# KiCad board TX75v2 PCB replacement.kicad_pcb (continued)
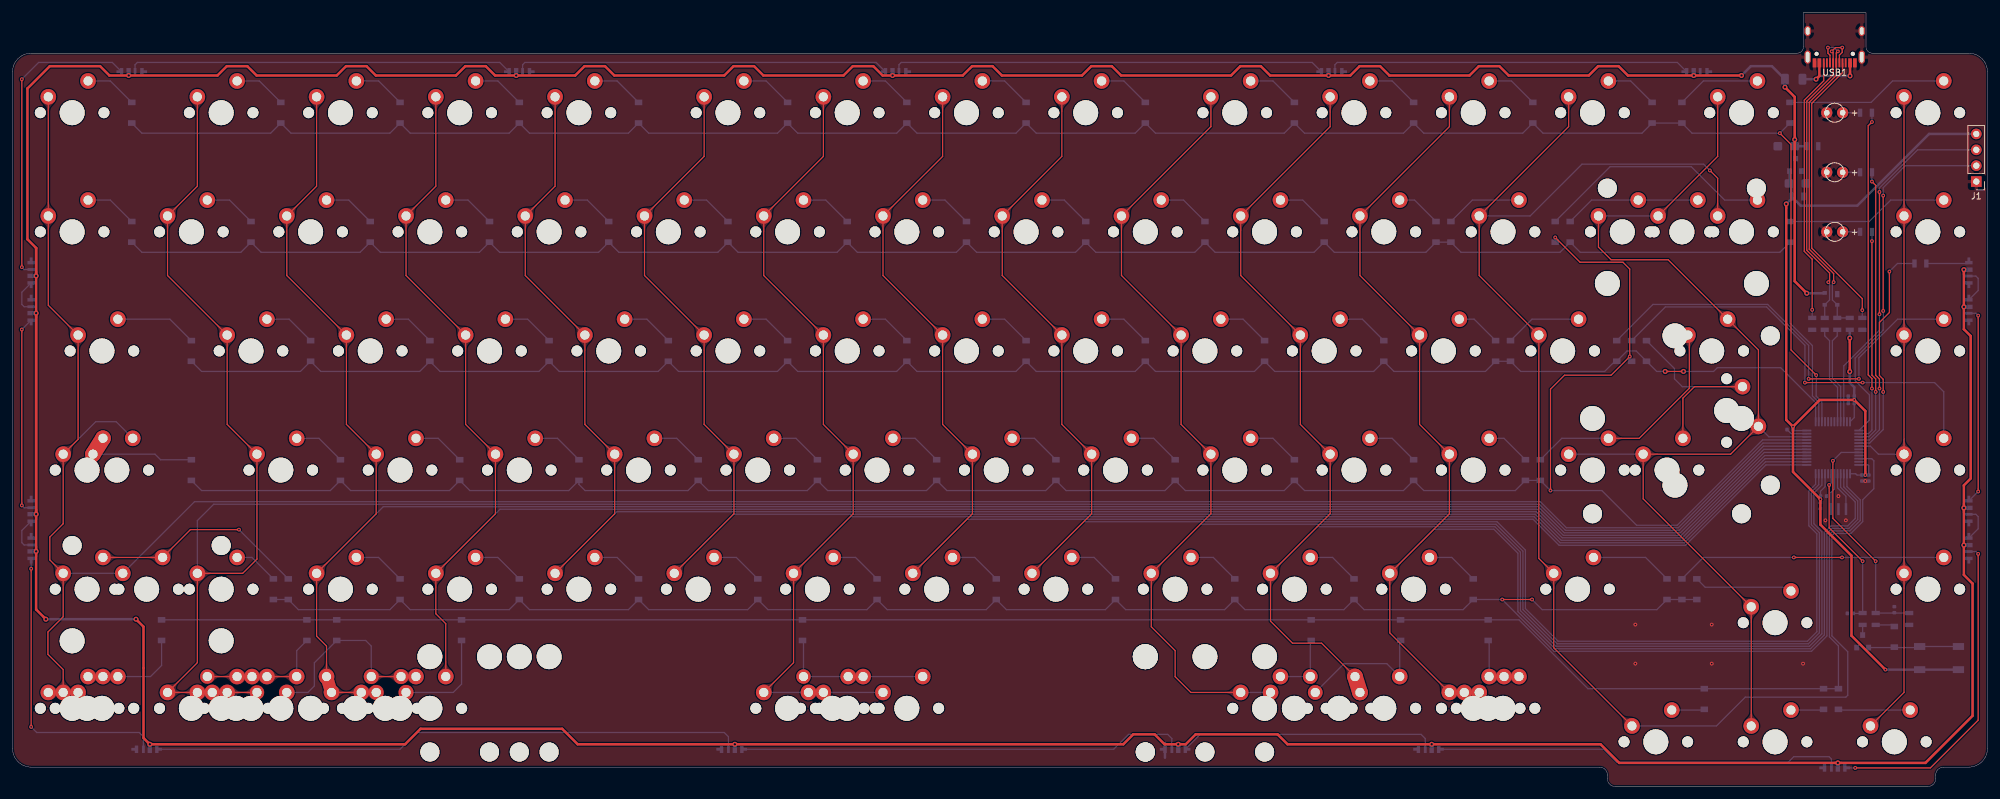
[diagram p0: board, top side]
## Copper pours and planes (outline as drawn; the poured copper is in the pictures) (continued)
Net-(D40-Pad2) on Bottom: 133.62,36.73 133.51,36.73 133.41,36.74 133.32,36.75 133.23,36.76 133.15,36.78 133.08,36.8 133.01,36.82 132.94,36.84 132.88,36.87 132.82,36.9 132.76,36.93 132.71,36.97 132.66,37.01 132.61,37.04 132.22,37.39 132.17,37.44 132.11,37.49 132.05,37.53 131.98,37.58 131.91,37.62 131.84,37.67 131.76,37.71 131.67,37.76 130.5,36.63 131.67,35.51 131.76,35.55 131.84,35.59 131.91,35.64 131.98,35.68 132.05,35.73 132.11,35.78 132.17,35.82 132.22,35.87 132.61,36.22 132.66,36.26 132.71,36.29 132.76,36.33 132.82,36.36 132.88,36.39 132.94,36.42 133.01,36.44 133.08,36.47 133.15,36.49 133.23,36.5 133.32,36.51 133.41,36.52 133.51,36.53 133.62,36.53
Net-(D41-Pad2) on Bottom: 157.43,112.93 157.32,112.93 157.22,112.94 157.13,112.95 157.05,112.96 156.97,112.98 156.89,113 156.82,113.02 156.75,113.04 156.69,113.07 156.63,113.1 156.58,113.13 156.52,113.17 156.47,113.21 156.42,113.24 156.03,113.59 155.98,113.64 155.92,113.69 155.86,113.73 155.79,113.78 155.72,113.82 155.65,113.87 155.57,113.91 155.48,113.96 154.31,112.83 155.48,111.71 155.57,111.75 155.65,111.79 155.72,111.84 155.79,111.88 155.86,111.93 155.92,111.98 155.98,112.02 156.03,112.07 156.42,112.42 156.47,112.46 156.52,112.49 156.58,112.53 156.63,112.56 156.69,112.59 156.75,112.62 156.82,112.64 156.89,112.67 156.97,112.69 157.05,112.7 157.13,112.71 157.22,112.72 157.32,112.73 157.43,112.73
Net-(D42-Pad2) on Bottom: 147.91,93.88 147.8,93.88 147.7,93.89 147.61,93.9 147.52,93.91 147.44,93.93 147.37,93.95 147.29,93.97 147.23,93.99 147.17,94.02 147.11,94.05 147.05,94.08 147,94.12 146.95,94.16 146.9,94.19 146.51,94.54 146.45,94.59 146.4,94.64 146.33,94.68 146.27,94.73 146.2,94.77 146.12,94.82 146.05,94.86 145.96,94.91 144.79,93.78 145.96,92.66 146.05,92.7 146.12,92.74 146.2,92.79 146.27,92.83 146.33,92.88 146.4,92.93 146.45,92.97 146.51,93.02 146.9,93.37 146.95,93.41 147,93.44 147.05,93.48 147.11,93.51 147.17,93.54 147.23,93.57 147.29,93.59 147.37,93.62 147.44,93.64 147.52,93.65 147.61,93.66 147.7,93.67 147.8,93.68 147.91,93.68
Net-(D43-Pad2) on Bottom: 157.43,74.83 157.32,74.83 157.22,74.84 157.13,74.85 157.05,74.86 156.97,74.88 156.89,74.9 156.82,74.92 156.75,74.94 156.69,74.97 156.63,75 156.58,75.03 156.52,75.07 156.47,75.11 156.42,75.14 156.03,75.49 155.98,75.54 155.92,75.59 155.86,75.63 155.79,75.68 155.72,75.72 155.65,75.77 155.57,75.81 155.48,75.86 154.31,74.73 155.48,73.61 155.57,73.65 155.65,73.69 155.72,73.74 155.79,73.78 155.86,73.83 155.92,73.88 155.98,73.92 156.03,73.97 156.42,74.32 156.47,74.36 156.52,74.39 156.58,74.43 156.63,74.46 156.69,74.49 156.75,74.52 156.82,74.54 156.89,74.57 156.97,74.59 157.05,74.6 157.13,74.61 157.22,74.62 157.32,74.63 157.43,74.63
Net-(D44-Pad2) on Bottom: 162.19,55.78 162.09,55.78 161.99,55.79 161.89,55.8 161.81,55.81 161.73,55.83 161.65,55.85 161.58,55.87 161.52,55.89 161.45,55.92 161.4,55.95 161.34,55.98 161.29,56.02 161.24,56.06 161.19,56.09 160.8,56.44 160.74,56.49 160.68,56.54 160.62,56.58 160.56,56.63 160.49,56.67 160.41,56.72 160.33,56.76 160.25,56.81 159.08,55.68 160.25,54.56 160.33,54.6 160.41,54.64 160.49,54.69 160.56,54.73 160.62,54.78 160.68,54.83 160.74,54.87 160.8,54.92 161.19,55.27 161.24,55.31 161.29,55.34 161.34,55.38 161.4,55.41 161.45,55.44 161.52,55.47 161.58,55.49 161.65,55.52 161.73,55.54 161.81,55.55 161.89,55.56 161.99,55.57 162.09,55.58 162.19,55.58
Net-(D45-Pad2) on Bottom: 152.67,36.73 152.56,36.73 152.46,36.74 152.37,36.75 152.28,36.76 152.2,36.78 152.13,36.8 152.06,36.82 151.99,36.84 151.93,36.87 151.87,36.9 151.81,36.93 151.76,36.97 151.71,37.01 151.66,37.04 151.27,37.39 151.22,37.44 151.16,37.49 151.1,37.53 151.03,37.58 150.96,37.62 150.89,37.67 150.81,37.71 150.72,37.76 149.55,36.63 150.72,35.51 150.81,35.55 150.89,35.59 150.96,35.64 151.03,35.68 151.1,35.73 151.16,35.78 151.22,35.82 151.27,35.87 151.66,36.22 151.71,36.26 151.76,36.29 151.81,36.33 151.87,36.36 151.93,36.39 151.99,36.42 152.06,36.44 152.13,36.47 152.2,36.49 152.28,36.5 152.37,36.51 152.46,36.52 152.56,36.53 152.67,36.53
Net-(D46-Pad2) on Bottom: 176.48,112.93 176.37,112.93 176.27,112.94 176.18,112.95 176.1,112.96 176.02,112.98 175.94,113 175.87,113.02 175.8,113.04 175.74,113.07 175.68,113.1 175.63,113.13 175.57,113.17 175.52,113.21 175.47,113.24 175.08,113.59 175.03,113.64 174.97,113.69 174.91,113.73 174.84,113.78 174.77,113.82 174.7,113.87 174.62,113.91 174.53,113.96 173.37,112.83 174.53,111.71 174.62,111.75 174.7,111.79 174.77,111.84 174.84,111.88 174.91,111.93 174.97,111.98 175.03,112.02 175.08,112.07 175.47,112.42 175.52,112.46 175.57,112.49 175.63,112.53 175.68,112.56 175.74,112.59 175.8,112.62 175.87,112.64 175.94,112.67 176.02,112.69 176.1,112.7 176.18,112.71 176.27,112.72 176.37,112.73 176.48,112.73
Net-(D47-Pad2) on Bottom: 166.96,93.88 166.85,93.88 166.75,93.89 166.66,93.9 166.57,93.91 166.49,93.93 166.42,93.95 166.34,93.97 166.28,93.99 166.22,94.02 166.16,94.05 166.1,94.08 166.05,94.12 166,94.16 165.95,94.19 165.56,94.54 165.5,94.59 165.45,94.64 165.38,94.68 165.32,94.73 165.25,94.77 165.17,94.82 165.1,94.86 165.01,94.91 163.84,93.78 165.01,92.66 165.1,92.7 165.17,92.74 165.25,92.79 165.32,92.83 165.38,92.88 165.45,92.93 165.5,92.97 165.56,93.02 165.95,93.37 166,93.41 166.05,93.44 166.1,93.48 166.16,93.51 166.22,93.54 166.28,93.57 166.34,93.59 166.42,93.62 166.49,93.64 166.57,93.65 166.66,93.66 166.75,93.67 166.85,93.68 166.96,93.68
Net-(D48-Pad2) on Bottom: 176.48,74.83 176.37,74.83 176.27,74.84 176.18,74.85 176.1,74.86 176.02,74.88 175.94,74.9 175.87,74.92 175.8,74.94 175.74,74.97 175.68,75 175.63,75.03 175.57,75.07 175.52,75.11 175.47,75.14 175.08,75.49 175.03,75.54 174.97,75.59 174.91,75.63 174.84,75.68 174.77,75.72 174.7,75.77 174.62,75.81 174.53,75.86 173.37,74.73 174.53,73.61 174.62,73.65 174.7,73.69 174.77,73.74 174.84,73.78 174.91,73.83 174.97,73.88 175.03,73.92 175.08,73.97 175.47,74.32 175.52,74.36 175.57,74.39 175.63,74.43 175.68,74.46 175.74,74.49 175.8,74.52 175.87,74.54 175.94,74.57 176.02,74.59 176.1,74.6 176.18,74.61 176.27,74.62 176.37,74.63 176.48,74.63
Net-(D49-Pad2) on Bottom: 181.24,55.78 181.14,55.78 181.04,55.79 180.94,55.8 180.86,55.81 180.78,55.83 180.7,55.85 180.63,55.87 180.57,55.89 180.5,55.92 180.45,55.95 180.39,55.98 180.34,56.02 180.29,56.06 180.24,56.09 179.85,56.44 179.79,56.49 179.73,56.54 179.67,56.58 179.61,56.63 179.54,56.67 179.46,56.72 179.38,56.76 179.3,56.81 178.13,55.68 179.3,54.56 179.38,54.6 179.46,54.64 179.54,54.69 179.61,54.73 179.67,54.78 179.73,54.83 179.79,54.87 179.85,54.92 180.24,55.27 180.29,55.31 180.34,55.34 180.39,55.38 180.45,55.41 180.5,55.44 180.57,55.47 180.63,55.49 180.7,55.52 180.78,55.54 180.86,55.55 180.94,55.56 181.04,55.57 181.14,55.58 181.24,55.58
Net-(D50-Pad2) on Bottom: 171.72,36.73 171.61,36.73 171.51,36.74 171.42,36.75 171.33,36.76 171.25,36.78 171.18,36.8 171.11,36.82 171.04,36.84 170.98,36.87 170.92,36.9 170.86,36.93 170.81,36.97 170.76,37.01 170.71,37.04 170.32,37.39 170.27,37.44 170.21,37.49 170.15,37.53 170.08,37.58 170.01,37.62 169.94,37.67 169.86,37.71 169.77,37.76 168.6,36.63 169.77,35.51 169.86,35.55 169.94,35.59 170.01,35.64 170.08,35.68 170.15,35.73 170.21,35.78 170.27,35.82 170.32,35.87 170.71,36.22 170.76,36.26 170.81,36.29 170.86,36.33 170.92,36.36 170.98,36.39 171.04,36.42 171.11,36.44 171.18,36.47 171.25,36.49 171.33,36.5 171.42,36.51 171.51,36.52 171.61,36.53 171.72,36.53
Net-(D51-Pad2) on Bottom: 200.29,112.93 200.19,112.93 200.09,112.94 199.99,112.95 199.91,112.96 199.83,112.98 199.75,113 199.68,113.02 199.62,113.04 199.55,113.07 199.5,113.1 199.44,113.13 199.39,113.17 199.34,113.21 199.29,113.24 198.9,113.59 198.84,113.64 198.78,113.69 198.72,113.73 198.66,113.78 198.59,113.82 198.51,113.87 198.43,113.91 198.35,113.96 197.18,112.83 198.35,111.71 198.43,111.75 198.51,111.79 198.59,111.84 198.66,111.88 198.72,111.93 198.78,111.98 198.84,112.02 198.9,112.07 199.29,112.42 199.34,112.46 199.39,112.49 199.44,112.53 199.5,112.56 199.55,112.59 199.62,112.62 199.68,112.64 199.75,112.67 199.83,112.69 199.91,112.7 199.99,112.71 200.09,112.72 200.19,112.73 200.29,112.73
Net-(D52-Pad2) on Bottom: 186,93.88 185.9,93.88 185.8,93.89 185.71,93.9 185.62,93.91 185.54,93.93 185.47,93.95 185.39,93.97 185.33,93.99 185.27,94.02 185.21,94.05 185.15,94.08 185.1,94.12 185.05,94.16 185,94.19 184.61,94.54 184.55,94.59 184.5,94.64 184.43,94.68 184.37,94.73 184.3,94.77 184.22,94.82 184.15,94.86 184.06,94.91 182.89,93.78 184.06,92.66 184.15,92.7 184.22,92.74 184.3,92.79 184.37,92.83 184.43,92.88 184.5,92.93 184.55,92.97 184.61,93.02 185,93.37 185.05,93.41 185.1,93.44 185.15,93.48 185.21,93.51 185.27,93.54 185.33,93.57 185.39,93.59 185.47,93.62 185.54,93.64 185.62,93.65 185.71,93.66 185.8,93.67 185.9,93.68 186,93.68
Net-(D53-Pad2) on Bottom: 195.53,74.83 195.42,74.83 195.32,74.84 195.23,74.85 195.15,74.86 195.07,74.88 194.99,74.9 194.92,74.92 194.85,74.94 194.79,74.97 194.73,75 194.68,75.03 194.62,75.07 194.57,75.11 194.52,75.14 194.13,75.49 194.08,75.54 194.02,75.59 193.96,75.63 193.89,75.68 193.82,75.72 193.75,75.77 193.67,75.81 193.58,75.86 192.41,74.73 193.58,73.61 193.67,73.65 193.75,73.69 193.82,73.74 193.89,73.78 193.96,73.83 194.02,73.88 194.08,73.92 194.13,73.97 194.52,74.32 194.57,74.36 194.62,74.39 194.68,74.43 194.73,74.46 194.79,74.49 194.85,74.52 194.92,74.54 194.99,74.57 195.07,74.59 195.15,74.6 195.23,74.61 195.32,74.62 195.42,74.63 195.53,74.63
Net-(D54-Pad2) on Bottom: 200.29,55.78 200.19,55.78 200.09,55.79 199.99,55.8 199.91,55.81 199.83,55.83 199.75,55.85 199.68,55.87 199.62,55.89 199.55,55.92 199.5,55.95 199.44,55.98 199.39,56.02 199.34,56.06 199.29,56.09 198.9,56.44 198.84,56.49 198.78,56.54 198.72,56.58 198.66,56.63 198.59,56.67 198.51,56.72 198.43,56.76 198.35,56.81 197.18,55.68 198.35,54.56 198.43,54.6 198.51,54.64 198.59,54.69 198.66,54.73 198.72,54.78 198.78,54.83 198.84,54.87 198.9,54.92 199.29,55.27 199.34,55.31 199.39,55.34 199.44,55.38 199.5,55.41 199.55,55.44 199.62,55.47 199.68,55.49 199.75,55.52 199.83,55.54 199.91,55.55 199.99,55.56 200.09,55.57 200.19,55.58 200.29,55.58
Net-(D55-Pad2) on Bottom: 190.77,36.73 190.66,36.73 190.56,36.74 190.47,36.75 190.38,36.76 190.3,36.78 190.23,36.8 190.16,36.82 190.09,36.84 190.03,36.87 189.97,36.9 189.91,36.93 189.86,36.97 189.81,37.01 189.76,37.04 189.37,37.39 189.32,37.44 189.26,37.49 189.2,37.53 189.13,37.58 189.06,37.62 188.99,37.67 188.91,37.71 188.82,37.76 187.65,36.63 188.82,35.51 188.91,35.55 188.99,35.59 189.06,35.64 189.13,35.68 189.2,35.73 189.26,35.78 189.32,35.82 189.37,35.87 189.76,36.22 189.81,36.26 189.86,36.29 189.91,36.33 189.97,36.36 190.03,36.39 190.09,36.42 190.16,36.44 190.23,36.47 190.3,36.49 190.38,36.5 190.47,36.51 190.56,36.52 190.66,36.53 190.77,36.53
Net-(D56-Pad2) on Bottom: 219.34,112.93 219.24,112.93 219.14,112.94 219.04,112.95 218.96,112.96 218.88,112.98 218.8,113 218.73,113.02 218.67,113.04 218.6,113.07 218.55,113.1 218.49,113.13 218.44,113.17 218.39,113.21 218.34,113.24 217.95,113.59 217.89,113.64 217.83,113.69 217.77,113.73 217.71,113.78 217.64,113.82 217.56,113.87 217.48,113.91 217.4,113.96 216.23,112.83 217.4,111.71 217.48,111.75 217.56,111.79 217.64,111.84 217.71,111.88 217.77,111.93 217.83,111.98 217.89,112.02 217.95,112.07 218.34,112.42 218.39,112.46 218.44,112.49 218.49,112.53 218.55,112.56 218.6,112.59 218.67,112.62 218.73,112.64 218.8,112.67 218.88,112.69 218.96,112.7 219.04,112.71 219.14,112.72 219.24,112.73 219.34,112.73
Net-(D57-Pad2) on Bottom: 205.06,93.88 204.95,93.88 204.85,93.89 204.76,93.9 204.67,93.91 204.59,93.93 204.52,93.95 204.44,93.97 204.38,93.99 204.32,94.02 204.26,94.05 204.2,94.08 204.15,94.12 204.1,94.16 204.05,94.19 203.66,94.54 203.6,94.59 203.55,94.64 203.48,94.68 203.42,94.73 203.35,94.77 203.27,94.82 203.2,94.86 203.11,94.91 201.94,93.78 203.11,92.66 203.2,92.7 203.27,92.74 203.35,92.79 203.42,92.83 203.48,92.88 203.55,92.93 203.6,92.97 203.66,93.02 204.05,93.37 204.1,93.41 204.15,93.44 204.2,93.48 204.26,93.51 204.32,93.54 204.38,93.57 204.44,93.59 204.52,93.62 204.59,93.64 204.67,93.65 204.76,93.66 204.85,93.67 204.95,93.68 205.06,93.68
Net-(D58-Pad2) on Bottom: 214.58,74.83 214.47,74.83 214.37,74.84 214.28,74.85 214.2,74.86 214.12,74.88 214.04,74.9 213.97,74.92 213.9,74.94 213.84,74.97 213.78,75 213.73,75.03 213.67,75.07 213.62,75.11 213.57,75.14 213.18,75.49 213.13,75.54 213.07,75.59 213.01,75.63 212.94,75.68 212.87,75.72 212.8,75.77 212.72,75.81 212.63,75.86 211.47,74.73 212.63,73.61 212.72,73.65 212.8,73.69 212.87,73.74 212.94,73.78 213.01,73.83 213.07,73.88 213.13,73.92 213.18,73.97 213.57,74.32 213.62,74.36 213.67,74.39 213.73,74.43 213.78,74.46 213.84,74.49 213.9,74.52 213.97,74.54 214.04,74.57 214.12,74.59 214.2,74.6 214.28,74.61 214.37,74.62 214.47,74.63 214.58,74.63
Net-(D59-Pad2) on Bottom: 219.34,55.78 219.24,55.78 219.14,55.79 219.04,55.8 218.96,55.81 218.88,55.83 218.8,55.85 218.73,55.87 218.67,55.89 218.6,55.92 218.55,55.95 218.49,55.98 218.44,56.02 218.39,56.06 218.34,56.09 217.95,56.44 217.89,56.49 217.83,56.54 217.77,56.58 217.71,56.63 217.64,56.67 217.56,56.72 217.48,56.76 217.4,56.81 216.23,55.68 217.4,54.56 217.48,54.6 217.56,54.64 217.64,54.69 217.71,54.73 217.77,54.78 217.83,54.83 217.89,54.87 217.95,54.92 218.34,55.27 218.39,55.31 218.44,55.34 218.49,55.38 218.55,55.41 218.6,55.44 218.67,55.47 218.73,55.49 218.8,55.52 218.88,55.54 218.96,55.55 219.04,55.56 219.14,55.57 219.24,55.58 219.34,55.58
Net-(D60-Pad2) on Bottom: 209.82,36.73 209.71,36.73 209.61,36.74 209.52,36.75 209.43,36.76 209.35,36.78 209.28,36.8 209.21,36.82 209.14,36.84 209.08,36.87 209.02,36.9 208.96,36.93 208.91,36.97 208.86,37.01 208.81,37.04 208.42,37.39 208.37,37.44 208.31,37.49 208.25,37.53 208.18,37.58 208.11,37.62 208.04,37.67 207.96,37.71 207.87,37.76 206.7,36.63 207.87,35.51 207.96,35.55 208.04,35.59 208.11,35.64 208.18,35.68 208.25,35.73 208.31,35.78 208.37,35.82 208.42,35.87 208.81,36.22 208.86,36.26 208.91,36.29 208.96,36.33 209.02,36.36 209.08,36.39 209.14,36.42 209.21,36.44 209.28,36.47 209.35,36.49 209.43,36.5 209.52,36.51 209.61,36.52 209.71,36.53 209.82,36.53
Net-(D61-Pad2) on Bottom: 238.39,112.93 238.29,112.93 238.19,112.94 238.09,112.95 238.01,112.96 237.93,112.98 237.85,113 237.78,113.02 237.72,113.04 237.65,113.07 237.6,113.1 237.54,113.13 237.49,113.17 237.44,113.21 237.39,113.24 237,113.59 236.94,113.64 236.88,113.69 236.82,113.73 236.76,113.78 236.69,113.82 236.61,113.87 236.53,113.91 236.45,113.96 235.28,112.83 236.45,111.71 236.53,111.75 236.61,111.79 236.69,111.84 236.76,111.88 236.82,111.93 236.88,111.98 236.94,112.02 237,112.07 237.39,112.42 237.44,112.46 237.49,112.49 237.54,112.53 237.6,112.56 237.65,112.59 237.72,112.62 237.78,112.64 237.85,112.67 237.93,112.69 238.01,112.7 238.09,112.71 238.19,112.72 238.29,112.73 238.39,112.73
Net-(D62-Pad2) on Bottom: 224.15,93.76 224.08,93.82 224.02,93.88 223.95,93.93 223.89,93.97 223.83,94.01 223.78,94.05 223.72,94.08 223.66,94.11 223.61,94.13 223.56,94.16 222.99,94.33 222.94,94.36 222.89,94.38 222.83,94.41 222.78,94.44 222.73,94.47 222.67,94.51 222.61,94.56 222.56,94.61 222.5,94.67 220.99,93.78 222.16,92.66 222.24,92.7 222.32,92.75 222.39,92.8 222.47,92.86 222.54,92.92 222.6,92.98 222.67,93.05 222.73,93.11 222.79,93.18 223.07,93.51 223.12,93.56 223.17,93.62 223.23,93.67 223.28,93.71 223.33,93.75 223.39,93.78 223.44,93.81 223.5,93.83 223.55,93.84 223.61,93.84 223.67,93.83 223.73,93.81 223.8,93.78 223.86,93.74 223.93,93.68 224,93.62
Net-(D63-Pad2) on Bottom: 233.67,74.71 233.61,74.77 233.54,74.83 233.48,74.88 233.42,74.92 233.36,74.96 233.3,75 233.24,75.03 233.19,75.06 233.13,75.08 233.08,75.11 232.52,75.28 232.46,75.31 232.41,75.33 232.36,75.36 232.31,75.39 232.25,75.42 232.2,75.46 232.14,75.51 232.08,75.56 232.02,75.62 230.52,74.73 231.68,73.61 231.77,73.65 231.84,73.7 231.92,73.75 231.99,73.81 232.06,73.87 232.13,73.93 232.19,74 232.25,74.06 232.31,74.13 232.59,74.46 232.64,74.51 232.7,74.57 232.75,74.62 232.8,74.66 232.86,74.7 232.91,74.73 232.96,74.76 233.02,74.78 233.08,74.79 233.14,74.79 233.2,74.78 233.26,74.76 233.32,74.73 233.39,74.69 233.46,74.63 233.53,74.57
Net-(D64-Pad2) on Bottom: 238.43,55.66 238.37,55.72 238.3,55.78 238.24,55.83 238.18,55.87 238.12,55.91 238.06,55.95 238.01,55.98 237.95,56.01 237.9,56.03 237.84,56.06 237.28,56.23 237.23,56.26 237.17,56.28 237.12,56.31 237.07,56.34 237.01,56.37 236.96,56.41 236.9,56.46 236.85,56.51 236.79,56.57 235.28,55.68 236.45,54.56 236.53,54.6 236.61,54.65 236.68,54.7 236.75,54.76 236.82,54.82 236.89,54.88 236.95,54.95 237.01,55.01 237.07,55.08 237.35,55.41 237.41,55.46 237.46,55.52 237.51,55.57 237.57,55.61 237.62,55.65 237.67,55.68 237.73,55.71 237.78,55.73 237.84,55.74 237.9,55.74 237.96,55.73 238.02,55.71 238.08,55.68 238.15,55.64 238.22,55.58 238.29,55.52
Net-(D65-Pad2) on Bottom: 228.87,36.73 228.76,36.73 228.66,36.74 228.57,36.75 228.48,36.76 228.4,36.78 228.33,36.8 228.26,36.82 228.19,36.84 228.13,36.87 228.07,36.9 228.01,36.93 227.96,36.97 227.91,37.01 227.86,37.04 227.47,37.39 227.42,37.44 227.36,37.49 227.3,37.53 227.23,37.58 227.16,37.62 227.09,37.67 227.01,37.71 226.92,37.76 225.75,36.63 226.92,35.51 227.01,35.55 227.09,35.59 227.16,35.64 227.23,35.68 227.3,35.73 227.36,35.78 227.42,35.82 227.47,35.87 227.86,36.22 227.91,36.26 227.96,36.29 228.01,36.33 228.07,36.36 228.13,36.39 228.19,36.42 228.26,36.44 228.33,36.47 228.4,36.49 228.48,36.5 228.57,36.51 228.66,36.52 228.76,36.53 228.87,36.53
Net-(D66-Pad2) on Bottom: 257.44,112.93 257.34,112.93 257.24,112.94 257.14,112.95 257.06,112.96 256.98,112.98 256.9,113 256.83,113.02 256.77,113.04 256.7,113.07 256.65,113.1 256.59,113.13 256.54,113.17 256.49,113.21 256.44,113.24 256.05,113.59 255.99,113.64 255.93,113.69 255.87,113.73 255.81,113.78 255.74,113.82 255.66,113.87 255.58,113.91 255.5,113.96 254.33,112.83 255.5,111.71 255.58,111.75 255.66,111.79 255.74,111.84 255.81,111.88 255.87,111.93 255.93,111.98 255.99,112.02 256.05,112.07 256.44,112.42 256.49,112.46 256.54,112.49 256.59,112.53 256.65,112.56 256.7,112.59 256.77,112.62 256.83,112.64 256.9,112.67 256.98,112.69 257.06,112.7 257.14,112.71 257.24,112.72 257.34,112.73 257.44,112.73
Net-(D67-Pad2) on Bottom: 238.18,93.68 238.28,93.68 238.38,93.67 238.47,93.66 238.56,93.65 238.64,93.64 238.71,93.62 238.79,93.59 238.85,93.57 238.91,93.54 238.97,93.51 239.03,93.48 239.08,93.44 239.13,93.41 239.18,93.37 239.57,93.02 239.63,92.97 239.68,92.93 239.75,92.88 239.81,92.83 239.88,92.79 239.96,92.74 240.03,92.7 240.12,92.66 241.29,93.78 240.12,94.91 240.03,94.86 239.96,94.82 239.88,94.77 239.81,94.73 239.75,94.68 239.68,94.64 239.63,94.59 239.57,94.54 239.18,94.19 239.13,94.16 239.08,94.12 239.03,94.08 238.97,94.05 238.91,94.02 238.85,93.99 238.79,93.97 238.71,93.95 238.64,93.93 238.56,93.91 238.47,93.9 238.38,93.89 238.28,93.88 238.18,93.88
Net-(D68-Pad2) on Bottom: 247.7,74.63 247.81,74.63 247.91,74.62 248,74.61 248.08,74.6 248.16,74.59 248.24,74.57 248.31,74.54 248.38,74.52 248.44,74.49 248.5,74.46 248.55,74.43 248.61,74.39 248.66,74.36 248.71,74.32 249.1,73.97 249.15,73.92 249.21,73.88 249.27,73.83 249.34,73.78 249.41,73.74 249.48,73.69 249.56,73.65 249.65,73.61 250.81,74.73 249.65,75.86 249.56,75.81 249.48,75.77 249.41,75.72 249.34,75.68 249.27,75.63 249.21,75.59 249.15,75.54 249.1,75.49 248.71,75.14 248.66,75.11 248.61,75.07 248.55,75.03 248.5,75 248.44,74.97 248.38,74.94 248.31,74.92 248.24,74.9 248.16,74.88 248.08,74.86 248,74.85 247.91,74.84 247.81,74.83 247.7,74.83
Net-(D69-Pad2) on Bottom: 276.27,93.68 276.38,93.68 276.48,93.67 276.57,93.66 276.66,93.65 276.74,93.64 276.81,93.62 276.89,93.59 276.95,93.57 277.01,93.54 277.07,93.51 277.13,93.48 277.18,93.44 277.23,93.41 277.28,93.37 277.67,93.02 277.73,92.97 277.78,92.93 277.85,92.88 277.91,92.83 277.98,92.79 278.06,92.74 278.13,92.7 278.22,92.66 279.39,93.78 278.22,94.91 278.13,94.86 278.06,94.82 277.98,94.77 277.91,94.73 277.85,94.68 277.78,94.64 277.73,94.59 277.67,94.54 277.28,94.19 277.23,94.16 277.18,94.12 277.13,94.08 277.07,94.05 277.01,94.02 276.95,93.99 276.89,93.97 276.81,93.95 276.74,93.93 276.66,93.91 276.57,93.9 276.48,93.89 276.38,93.88 276.27,93.88
Net-(D70-Pad2) on Bottom: 255.06,36.73 254.96,36.73 254.86,36.74 254.76,36.75 254.68,36.76 254.6,36.78 254.52,36.8 254.45,36.82 254.39,36.84 254.32,36.87 254.26,36.9 254.21,36.93 254.16,36.97 254.1,37.01 254.06,37.04 253.66,37.39 253.61,37.44 253.55,37.49 253.49,37.53 253.42,37.58 253.36,37.62 253.28,37.67 253.2,37.71 253.12,37.76 251.95,36.63 253.12,35.51 253.2,35.55 253.28,35.59 253.36,35.64 253.42,35.68 253.49,35.73 253.55,35.78 253.61,35.82 253.66,35.87 254.06,36.22 254.1,36.26 254.16,36.29 254.21,36.33 254.26,36.36 254.32,36.39 254.39,36.42 254.45,36.44 254.52,36.47 254.6,36.49 254.68,36.5 254.76,36.51 254.86,36.52 254.96,36.53 255.06,36.53
Net-(D71-Pad2) on Bottom: 276.27,112.73 276.38,112.73 276.48,112.72 276.57,112.71 276.66,112.7 276.74,112.69 276.81,112.67 276.89,112.64 276.95,112.62 277.01,112.59 277.07,112.56 277.13,112.53 277.18,112.49 277.23,112.46 277.28,112.42 277.67,112.07 277.73,112.02 277.78,111.98 277.85,111.93 277.91,111.88 277.98,111.84 278.06,111.79 278.13,111.75 278.22,111.71 279.39,112.83 278.22,113.96 278.13,113.91 278.06,113.87 277.98,113.82 277.91,113.78 277.85,113.73 277.78,113.69 277.73,113.64 277.67,113.59 277.28,113.24 277.23,113.21 277.18,113.17 277.13,113.13 277.07,113.1 277.01,113.07 276.95,113.04 276.89,113.02 276.81,113 276.74,112.98 276.66,112.96 276.57,112.95 276.48,112.94 276.38,112.93 276.27,112.93
Net-(D72-Pad2) on Bottom: 257.22,93.68 257.33,93.68 257.43,93.67 257.52,93.66 257.61,93.65 257.69,93.64 257.76,93.62 257.84,93.59 257.9,93.57 257.96,93.54 258.02,93.51 258.08,93.48 258.13,93.44 258.18,93.41 258.23,93.37 258.62,93.02 258.68,92.97 258.73,92.93 258.8,92.88 258.86,92.83 258.93,92.79 259.01,92.74 259.08,92.7 259.17,92.66 260.34,93.78 259.17,94.91 259.08,94.86 259.01,94.82 258.93,94.77 258.86,94.73 258.8,94.68 258.73,94.64 258.68,94.59 258.62,94.54 258.23,94.19 258.18,94.16 258.13,94.12 258.08,94.08 258.02,94.05 257.96,94.02 257.9,93.99 257.84,93.97 257.76,93.95 257.69,93.93 257.61,93.91 257.52,93.9 257.43,93.89 257.33,93.88 257.22,93.88
Net-(D72-Pad2) on Bottom: 266.75,93.68 266.86,93.68 266.96,93.67 267.05,93.66 267.13,93.65 267.21,93.64 267.29,93.62 267.36,93.59 267.43,93.57 267.49,93.54 267.55,93.51 267.6,93.48 267.66,93.44 267.71,93.41 267.76,93.37 268.15,93.02 268.2,92.97 268.26,92.93 268.32,92.88 268.39,92.83 268.46,92.79 268.53,92.74 268.61,92.7 268.7,92.66 269.87,93.78 268.7,94.91 268.61,94.86 268.53,94.82 268.46,94.77 268.39,94.73 268.32,94.68 268.26,94.64 268.2,94.59 268.15,94.54 267.76,94.19 267.71,94.16 267.66,94.12 267.6,94.08 267.55,94.05 267.49,94.02 267.43,93.99 267.36,93.97 267.29,93.95 267.21,93.93 267.13,93.91 267.05,93.9 266.96,93.89 266.86,93.88 266.75,93.88